# Altium PCB TIDA-010933-RevA.PcbDoc (part 3 of 9) (continued)
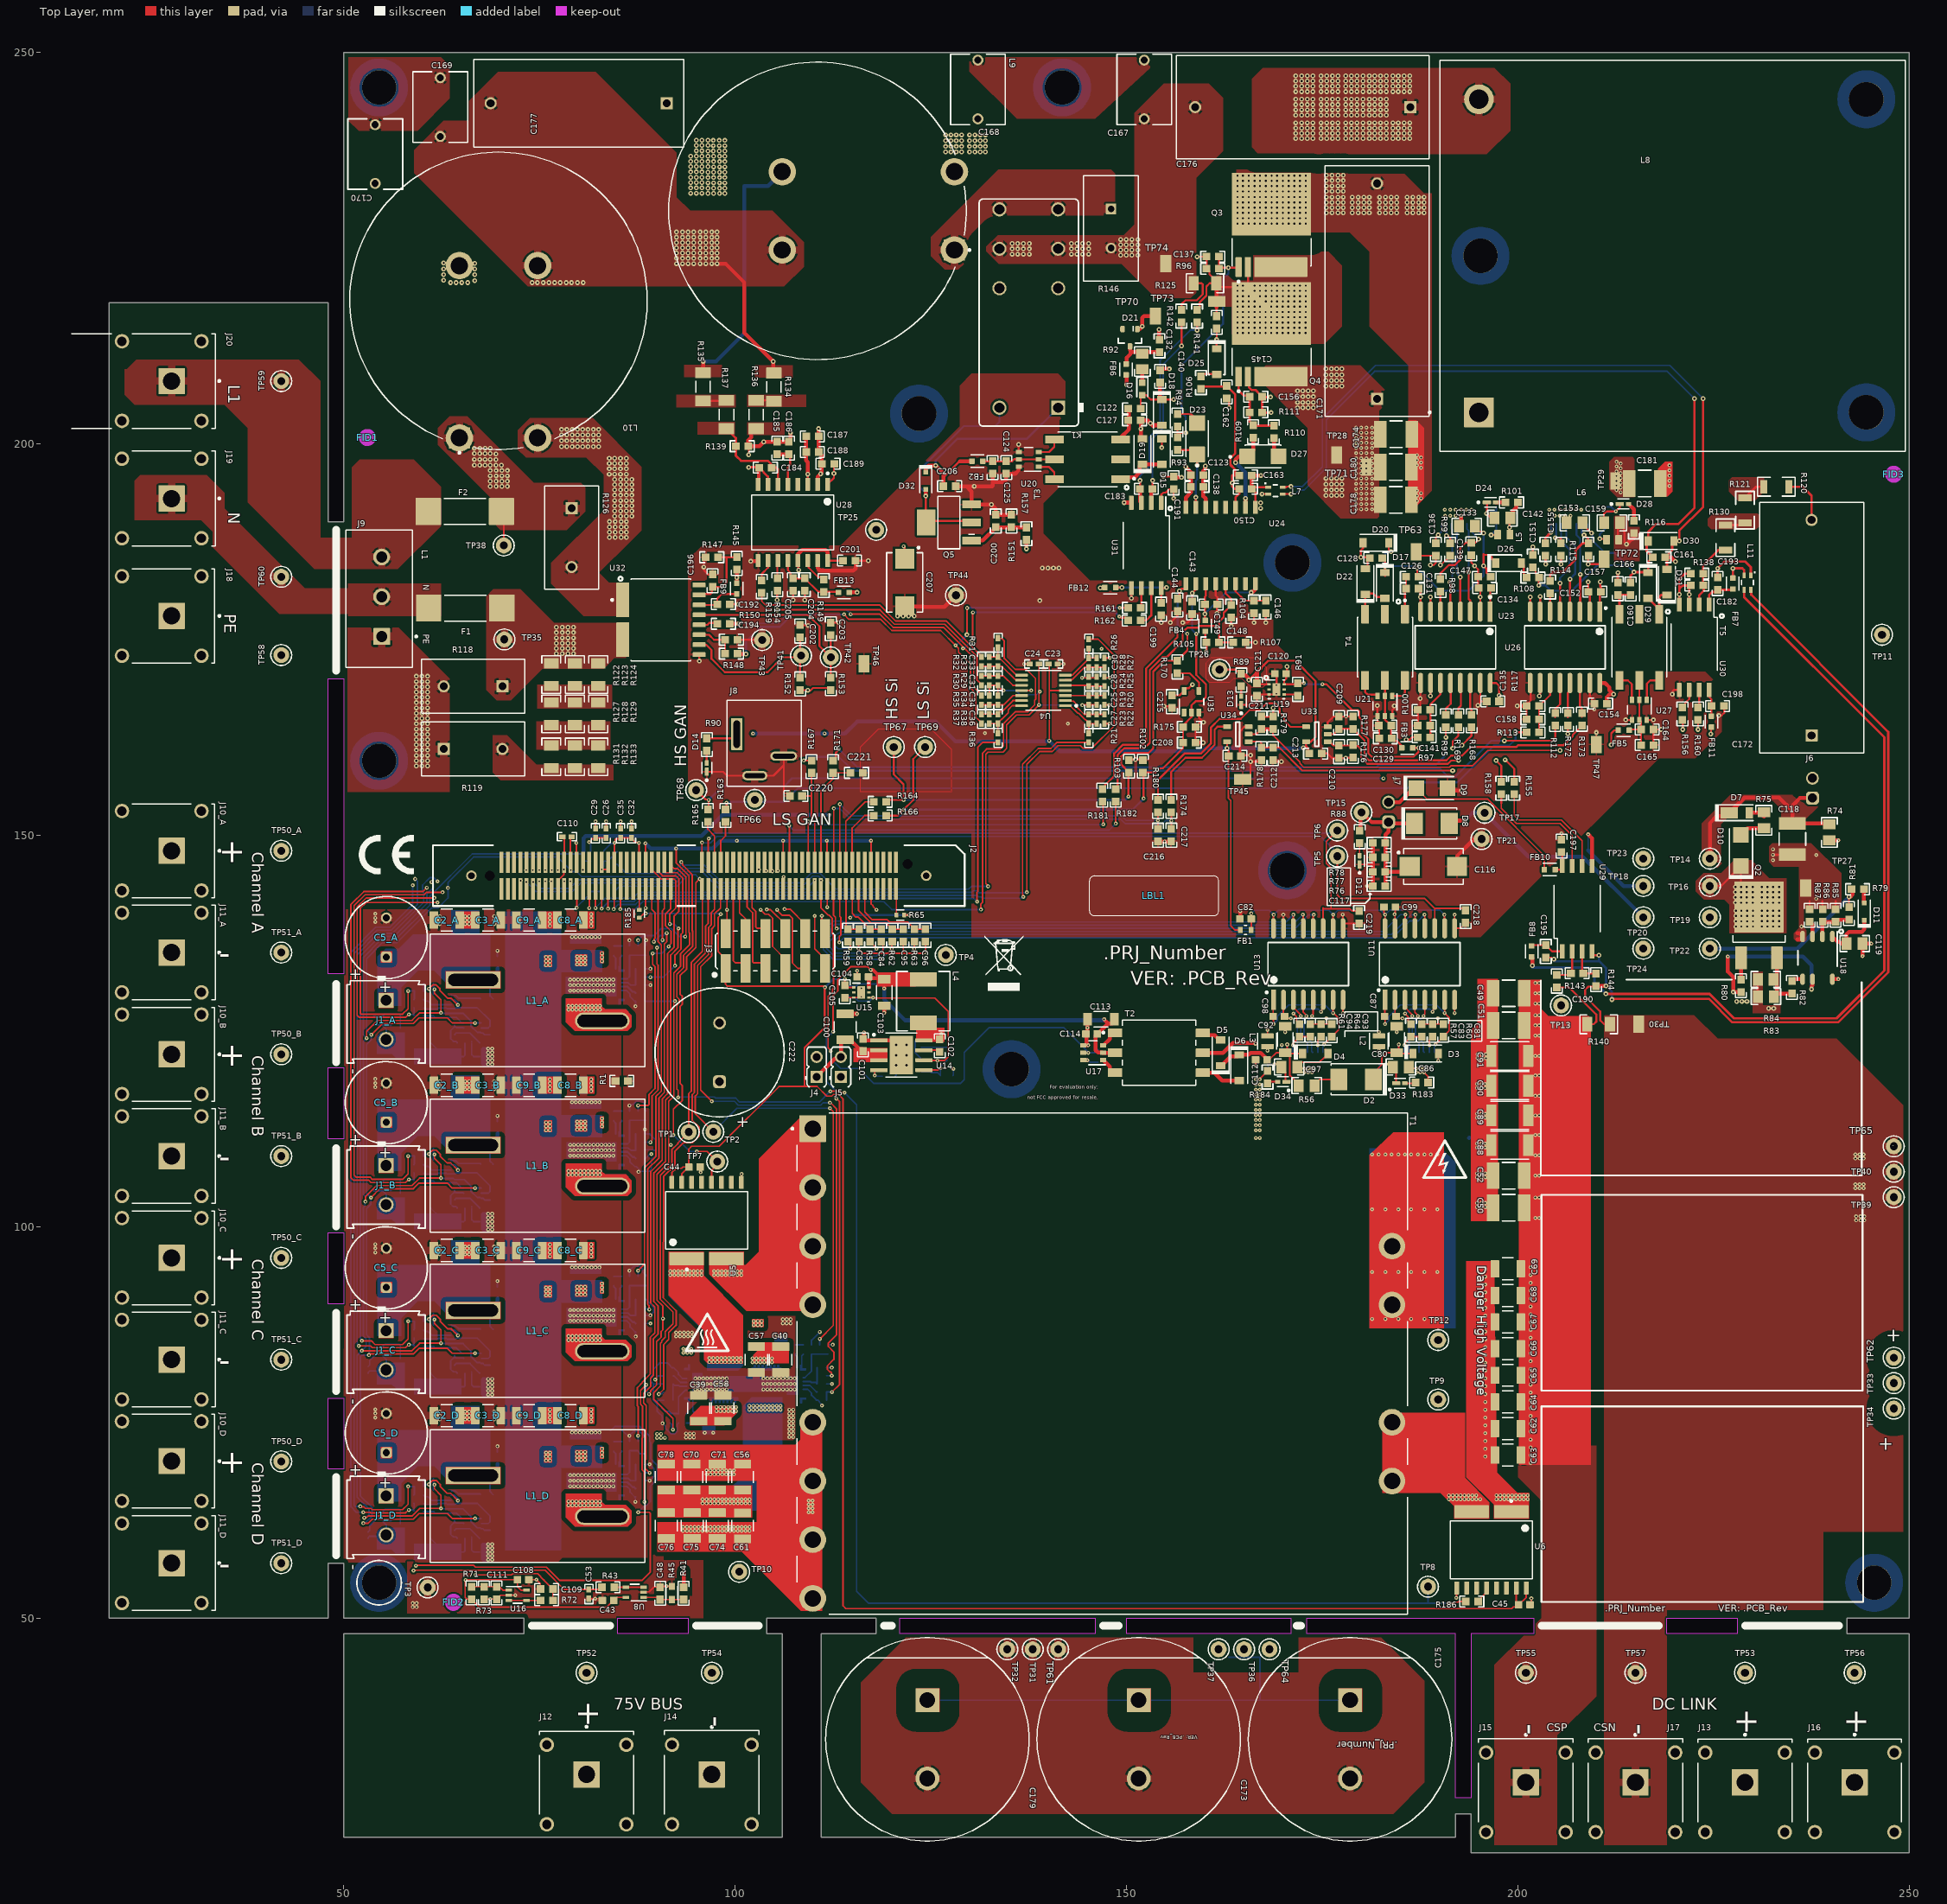
[diagram p0: Top Layer view]
## Part data (continued)
C173 C175 C179: library part CMP-0038374-1, "ALC80, Aluminum Electrolytic, 120 uF, 20%, 450 VDC, -40/+105°C", Leakage Current=162uA, Manufacturer=KEMET, Operating Temperature Range="-40°C to +105°C", Tolerance_%=20%, ValueDisplayed=120uF, AEC Qualified=No, Cap_F=120µF, ComponentLink1Description=Datasheet, ComponentLink1URL=https://content.kemet.com/datasheets/KEM_A4082_ALC80.pdf, datasheet=https://content.kemet.com/datasheets/KEM_A4082_ALC80.pdf, Datasheet Path=datasheets/Cap-ALC80A121BD450.pdf, Esr=1.075, helpURL=https://upverter.com/upn/revision/7d670a938a867c59/, IRMS_A=3.13A, Lead Free=Yes, Life=6000Hours, PackageReference=RADIAL, Part Number=ALC80A121BD450, PartNumber=ALC80A121BD450, RoHS=TRUE, SizeZ_mm=42mm, VDC_V=450V
C176: library part CMP-0037952-1, "2.2 µF Film Capacitor 310V Polypropylene (PP), Metallized Radial", Digikey Part Number=399-14811-ND, Manufacturer=KEMET, Mouser Part Number=80-F863FL225K310Z, Operating Temperature Range="-40°C to +110°C", Tolerance_%=10%, ValueDisplayed=2.2uF, Voltage Ac Rating X=310V, AEC Grade="Grade 2", AEC Qualified=Yes, Cap_F=2.2µF, ComponentLink1Description=Datasheet, ComponentLink1URL=https://content.kemet.com/datasheets/KEM_F3110_F863_X2_310.pdf, datasheet=https://content.kemet.com/datasheets/KEM_F3110_F863_X2_310.pdf, Datasheet Path=datasheets/Cap-F863FL225K310Z.pdf, Digikey Description="CAP FILM 2.2UF 10% 310VAC RADIAL", helpURL=https://upverter.com/upn/revision/6037da2ac259c91a/, Lead Free=Yes, PackageReference=RADIAL, Part Number=F863FL225K310Z, PartNumber=F863FL225K310Z, RoHS=TRUE, SizeZ_mm=25.1mm, Supplier 1=Digikey, Supplier 2=Mouser, Supplier Part Number 1=399-14811-ND, Supplier Part Number 2=80-F863FL225K310Z, VAC=310V, VAC_X=X2, VDC_V=630V
C177: library part CMP-0037951-1, "Cap Film 1uF 310VAC PP 10% (26.5 X 11 X 20mm) Dipped Radial 22.5mm 110°C Pizza Pack", Digikey Part Number=399-14809-ND, Manufacturer=KEMET, Mouser Part Number=80-F863DS105K310Z, Operating Temperature Range="-40°C to +110°C", Tolerance_%=10%, ValueDisplayed=1uF, Voltage Ac Rating X=310V, AEC Grade="Grade 1", AEC Qualified=Yes, Cap_F=1µF, ComponentLink1Description=Datasheet, ComponentLink1URL=https://content.kemet.com/datasheets/KEM_F3110_F863_X2_310.pdf, datasheet=https://content.kemet.com/datasheets/KEM_F3110_F863_X2_310.pdf, Datasheet Path=datasheets/Cap-F863DS105K310Z.pdf, Digikey Description="CAP FILM 1UF 10% 310VAC RADIAL", helpURL=https://upverter.com/upn/revision/10eff80190826337/, Lead Free=Yes, PackageReference=RADIAL, Part Number=F863DS105K310Z, PartNumber=F863DS105K310Z, RoHS=TRUE, SizeZ_mm=20.1mm, Supplier 1=Digikey, Supplier 2=Mouser, Supplier Part Number 1=399-14809-ND, Supplier Part Number 2=80-F863DS105K310Z, VAC=310V, VAC_X=X2, VDC_V=630V
C182 C184: library part CMP-0007238-4, "CAP, CERM, 1000 pF, 100 V, +/- 5%, C0G/NP0, 0603", Cap_Case=0603, Manufacturer=MuRata, Supplier Part Number 1=490-3281-1-ND, TempCo=C0G/NP0, Tolerance_%=5%, Value1=Unknown, Value2=100V, ValueDisplayed=1000pF, AEC Category=Q200, AEC Qualified=?, Cap_F=1nF, ComponentLink1Description="Datasheet link", ComponentLink1URL=http://search.murata.co.jp/Ceramy/PnsearchViewAction.do?HnOFG=ON&HnNFG=ON&SEL_CNT=50&sLang=en&sKey=GRM1885C2A102JA01D&x=9&y=9&search=startwith, CompType=Capacitor, LatestRevisionDate=2017-03-09, MountType=SMT, PackageReference=0603, PartNumber=GRM1885C2A102JA01D, Polarized=N, Published=2008-06-19, Publisher="Texas Instruments", RoHS=Y, SizeArea_mm2=1.28, SizeAreaWB_mm2=4.68, SizeX_mm=1.6, SizeY_mm=0.8, SizeZ_mm=1, Supplier 1=Digi-Key, Supplier 2=Mouser, Supplier Part Number 2=81-GRM1885C2A102JA01, TaMax_C=125°C, TaMin_C=-55°C, Technology=Ceramic, U/M=EA, VDC_V=100V
C183 C190: library part CMP-0007082-4, "CAP, CERM, 0.01 uF, 100 V, +/- 10%, X7R, AEC-Q200 Grade 1, 0603", Cap_Case=0603, Manufacturer=TDK, Supplier Part Number 1=445-5812-1-ND, TempCo=X7R, Tolerance_%=10%, Value1="0.235428 ohm", Value2=100V, ValueDisplayed=0.01uF, AEC Category=Q200, AEC Grade=1, AEC Qualified=Y, Cap_F=10nF, ComponentLink1Description="Datasheet link", ComponentLink1URL=https://product.tdk.com/en/search/capacitor/ceramic/mlcc/info?part_no=CGA3E2X7R2A103K080AA, CompType=Capacitor, ESR_ohm=2.35428d, IRMS_A=3.96995dA, LatestRevisionDate=2017-03-09, MountType=SMT, PackageReference=0603, PartNumber=CGA3E2X7R2A103K080AA, Polarized=N, Published=2008-06-19, Publisher="Texas Instruments", RoHS=Y, SizeArea_mm2=1.28, SizeAreaWB_mm2=4.68, SizeX_mm=1.6, SizeY_mm=0.8, SizeZ_mm=1, Supplier 1=Digi-Key, Supplier 2=Mouser, Supplier Part Number 2=810-CGA3E2X7R2A103K080AA, TaMax_C=125°C, TaMin_C=-55°C, Technology=Ceramic, U/M=EA, VDC_V=100V
C185 C188 C204: library part CMP-0006976-1, "CAP, CERM, 1000 pF, 50 V, +/- 10%, X7R, 0603", Cap_Case=0603, Manufacturer=Kemet, Supplier Part Number 1=399-5348-1-ND, TempCo=X7R, Tolerance_%=10%, Value1=Unknown, Value2=50V, ValueDisplayed=1000pF, AEC Category=Q200, AEC Qualified=?, Cap_F=1nF, ComponentLink1Description="Datasheet link", ComponentLink1URL=http://www.kemet.com/kemet/web/homepage/kechome.nsf/vapubfiles/F3102_Y5V.pdf/$file/F3102_Y5V.pdf, CompType=Capacitor, LatestRevisionDate=2017-03-09, MountType=SMT, PackageReference=0603, PartNumber=C0603X102K5RACTU, Polarized=N, Published=2008-06-19, Publisher="Texas Instruments", RoHS=Y, SizeArea_mm2=1.28, SizeAreaWB_mm2=4.68, SizeX_mm=1.6, SizeY_mm=0.8, SizeZ_mm=1, Supplier 1=Digi-Key, Supplier 2=Mouser, Supplier 3=Farnell, Supplier Part Number 2=80-C0603X102K5R, Supplier Part Number 3=1414025, TaMax_C=125°C, TaMin_C=-55°C, Technology=Ceramic, U/M=EA, VDC_V=50V
C189 C205: library part CMP-0007121-4, "CAP, CERM, 2.2 uF, 16 V, +/- 10%, X7R, 0603", Cap_Case=0603, Manufacturer="Taiyo Yuden", Supplier Part Number 1=EMK107BB7225KA-T-ND, TempCo=X7R, Tolerance_%=10%, Value1=Unknown, Value2=16V, ValueDisplayed=2.2uF, AEC Category=Q200, AEC Grade=N/A, AEC Qualified=N, Cap_F=2.2µF, ComponentLink1Description="Datasheet link", ComponentLink1URL=http://www.yuden.co.jp/productdata/catalog/en/mlcc_all_e.pdf, CompType=Capacitor, LatestRevisionDate=2017-03-09, MountType=SMT, PackageReference=0603, PartNumber=EMK107BB7225KA-T, Polarized=N, Published=2008-06-19, Publisher="Texas Instruments", RoHS=Y, SizeArea_mm2=1.28, SizeAreaWB_mm2=4.68, SizeX_mm=1.6, SizeY_mm=0.8, SizeZ_mm=1, Supplier 1=Digi-Key, Supplier 2=Newark, Supplier 3=Mouser, Supplier Part Number 2=68X1300, Supplier Part Number 3=963-EMK107BB7225KA-T, TaMax_C=125°C, TaMin_C=-55°C, Technology=Ceramic, U/M=EA, VDC_V=16V
C200: library part CMP-0006844-4, "CAP, CERM, 1000 pF, 50 V, +/- 5%, X7R, AEC-Q200 Grade 1, 0603", Cap_Case=0603, Manufacturer=Kemet, Supplier Part Number 1=399-12989-1-ND, TempCo=X7R, Tolerance_%=5%, Value1=Unknown, Value2=50V, ValueDisplayed=1000pF, AEC Category=Q200, AEC Grade=1, AEC Qualified=Y, Cap_F=1nF, ComponentLink1Description="Datasheet link", ComponentLink1URL=http://www.kemet.com/docfinder?Partnumber=C0603C102J5RACAUTO, CompType=Capacitor, LatestRevisionDate=2017-03-09, MountType=SMT, PackageReference=0603, PartNumber=C0603C102J5RACAUTO, Polarized=N, Published=2008-06-19, Publisher="Texas Instruments", RoHS=Y, SizeArea_mm2=1.28, SizeAreaWB_mm2=4.68, SizeX_mm=1.6, SizeY_mm=0.8, SizeZ_mm=1, Supplier 1=Digi-Key, Supplier 2=Newark, Supplier 3=Mouser, Supplier Part Number 3=80-C0603C102J5RAUTO, TaMax_C=125°C, TaMin_C=-55°C, Technology=Ceramic, U/M=EA, VDC_V=50V
C222: library part CMP-0116914-1, "WCAP-ATUL Aluminum Electrolytic Capacitor, Radial, THT, D16 x H25mm, 270µF, 100V", Capacitance Tolerance=20%, Manufacturer=Panasonic, Operating Temperature Max=105°C, Operating Temperature Min=-40°C, Rated Voltage (DC)=100V, Cap_F=270µF, Category="Aluminum Electrolytic Capacitors", Component Type=Standard, ComponentLink1Description="Website Link", ComponentLink1URL=https://www.we-online.com/redexpert/article/860040880007?ad, ComponentLink2Description="Datasheet Link", ComponentLink2URL=https://www.we-online.com/redexpert/spec/860040880007?ad, Diameter=16mm, Dissipation Factor=9%, Endurance=10000h, Height=25mm, Mount="Through Hole", Packaging="Ammo Pack", PartNumber=EEUFS2A391, Pin Count=2, Source="Aluminum Electrolytic Capacitors.SchLib", Technical Reference=ATDK250271M100DSPAEK000
D1_A D1_B D1_C D1_D: library part CMP-0005878-5, "Diode, Zener, 12 V, 200 mW, SOD-523", Manufacturer="Micro Commercial Components", Power_W=200mW, Value1=0.2W, AEC Category=Q101, AEC Qualified=?, ComponentLink1Description="Datasheet link", ComponentLink1URL=http://www.mccsemi.com/up_pdf/BZT52C2V4T~BZT52C39T(SOD-523).PDF, CompType=Zener, MountType=SMT, PackageReference=SOD-523, PartNumber=BZT52C12T-TP, RJA_CperW=625, RoHS=Y, SizeArea_mm2=1.53, SizeAreaWB_mm2=5.13, SizeX_mm=1.7, SizeY_mm=0.9, SizeZ_mm=0.65, Vz_V=12V
D2: library part CMP-0076998-2, "Diode, Schottky, 650 V, 1 A, SMB", Manufacturer="GeneSiC Semiconductor", Value1=1A, Value2=2V, AEC Category=Q101, AEC Qualified=?, ComponentLink1Description="Datasheet link", ComponentLink1URL=http://www.genesicsemi.com/images/products_sic/rectifiers/GB01SLT06-214.pdf, CompType=Diode, Io_A=1A, MountType=SMT, PackageReference=SMB, PartNumber=GB01SLT06-214, RJC_CperW=3.55, RoHS=Y, SizeArea_mm2=21.336, SizeAreaWB_mm2=44.156, SizeX_mm=5.6, SizeY_mm=3.81, SizeZ_mm=2.6, TJmax_C=175°C, Type=Schottky, Vf_V=2V, Vr_V=650V
D3 D4: library part CMP-0005769-4, "Diode, Zener, 16 V, 500 mW, AEC-Q101, SOD-123", Manufacturer="Diodes Inc.", Power_W=500mW, Value1=0.5W, AEC Category=Q101, AEC Qualified=Y, ComponentLink1Description="Datasheet link", ComponentLink1URL=http://www.diodes.com/_files/datasheets/ds18004.pdf, CompType=Zener, MountType=SMT, PackageReference=SOD-123, PartNumber=BZT52C16-7-F, RJA_CperW=338, RoHS=Y, SizeArea_mm2=6.545, SizeAreaWB_mm2=13.095, SizeX_mm=3.85, SizeY_mm=1.7, SizeZ_mm=1.35, Vz_V=16V
D5 D6: library part CMP-0028360-2, "Diode, Schottky, 40 V, 1 A, SOD-123", Manufacturer="Diodes Inc.", Value1=1A, Value2=0.45V, AEC Category=Q101, AEC Qualified=?, ComponentLink1Description="Datasheet link", ComponentLink1URL=http://www.diodes.com/datasheets/ds30217.pdf, CompType=Diode, Green_EU RoHS=Passed, Green_EU RoHS-2=Passed, Green_Lifecycle=Active, Green_REACh=Passed, Io_A=1A, MountType=SMT, PackageReference=SOD-123, PartNumber=1N5819HW-7-F, RoHS=Y, SizeArea_mm2=6.545, SizeAreaWB_mm2=13.095, SizeX_mm=3.85, SizeY_mm=1.7, SizeZ_mm=1.35, TJmax_C=125°C, Type=Schottky, Vf_V=450mV, Vr_V=40V
D7: library part CMP-0076896-2, "Diode, Superfast Rectifier, 400 V, 1 A, PowerDI123", Manufacturer="Diodes Inc.", Value1=1A, Value2=1.25V, AEC Category=Q101, AEC Qualified=?, ComponentLink1Description="Datasheet link", ComponentLink1URL=http://www.diodes.com/datasheets/ds30784.pdf, CompType=Diode, Green_EU RoHS=Incomplete, Green_EU RoHS-2=Incomplete, Green_Lifecycle="Not Set", Green_REACh=Incomplete, Io_A=1A, MountType=SMT, PackageReference=PowerDI123, PartNumber=DFLU1400-7, RJC_CperW=117.0, RoHS=Y, SizeArea_mm2=6.586, SizeAreaWB_mm2=13.066, SizeX_mm=3.7, SizeY_mm=1.78, SizeZ_mm=0.98, TJmax_C=150°C, Type="Superfast Rectifier", Vf_V=1.25V, Vr_V=400V
D8: library part CMP-0028414-2, "Diode, Schottky, 40 V, 3 A, SMB", Manufacturer="Diodes Inc.", Value1=3A, Value2=0.45V, AEC Category=Q101, AEC Qualified=?, ComponentLink1Description="Datasheet link", ComponentLink1URL=http://www.diodes.com/datasheets/ds30240.pdf, CompType=Diode, Green_EU RoHS=Incomplete, Green_EU RoHS-2=Incomplete, Green_Lifecycle="Not Set", Green_REACh=Incomplete, Io_A=3A, MountType=SMT, PackageReference=SMB, PartNumber=B340LB-13-F, RJC_CperW=25, RoHS=Y, SizeArea_mm2=21.336, SizeAreaWB_mm2=44.156, SizeX_mm=5.6, SizeY_mm=3.81, SizeZ_mm=2.6, TJmax_C=125°C, Type=Schottky, Vf_V=450mV, Vr_V=40V
D9: library part CMP-0005533-3, "Diode, Zener, 5.6 V, 1 W, SMA", Manufacturer="Diodes Inc.", Power_W=1W, AEC Category=Q101, AEC Qualified=N, ComponentLink1Description="Datasheet link", ComponentLink1URL=http://www.diodes.com/datasheets/ds18015.pdf, CompType=Zener, MountType=SMT, PackageReference=SMA, PartNumber=SMAZ5V6-13-F, RJA_CperW=125, RoHS=Y, SizeArea_mm2=16.3228, SizeAreaWB_mm2=37.3428, SizeX_mm=5.59, SizeY_mm=2.92, SizeZ_mm=2.87, Value1=1W, Vz_V=5.6V
D10: library part CMP-0084980-1, "Diode, TVS, Uni, 120 V, 193 Vc, 400 W, 2.1 A, SMA", Manufacturer=Littelfuse, Value1=193V, AEC Category=Q101, AEC Qualified=N, ComponentLink1Description="Datasheet link", ComponentLink1URL=https://www.littelfuse.com/~/media/electronics/datasheets/tvs_diodes/littelfuse_tvs_diode_smaj_datasheet.pdf.pdf, CompType=TVS, Ipp=2.1A, MountType=SMT, PackageReference=SMA, PartNumber=SMAJ120A, Ppk=400W, RJA_CperW=120, RoHS=Y, SizeArea_mm2=16.3228, SizeAreaWB_mm2=37.3428, SizeX_mm=5.59, SizeY_mm=2.92, SizeZ_mm=2.87, Vbr_Max=147V, Vbr_Min=133V, Vc=193V, VRWM=120V
D11: library part CMP-0029150-2, "Diode, Switching, 200 V, 0.2 A, AEC-Q101, SOD-323", Manufacturer="ON Semiconductor", Value1=0.2A, Value2=1.25V, AEC Category=Q101, AEC Qualified=Y, ComponentLink1Description="Datasheet link", ComponentLink1URL=http://www.onsemi.com/pub_link/Collateral/BAS20HT1-D.PDF, CompType=Diode, Green_EU RoHS=Incomplete, Green_EU RoHS-2=Incomplete, Green_Lifecycle="Not Set", Green_REACh=Incomplete, Io_A=200mA, MountType=SMT, PackageReference=SOD-323, PartNumber=BAS20HT1G, RoHS=Y, SizeArea_mm2=3.645, SizeAreaWB_mm2=8.695, SizeX_mm=2.7, SizeY_mm=1.35, SizeZ_mm=1, TJmax_C=150°C, Type=Switching, Vf_V=1.25V, Vr_V=200V
D12 D13 D14 D24 D28 D33 D34: library part CMP-0093310-1, "Standard LEDs - SMD Green TOPLED E 1608", Color=Green, Forward Current=2mA, Manufacturer="Osram Opto", Mouser Part Number=720-KGDELLS122A4849, Operating Temperature Range="-40°C to +110°C", AEC Grade="Grade 2", AEC Qualified=Yes, Angle=120°, ComponentLink1Description=Datasheet, ComponentLink1URL=https://dammedia.osram.info/media/resource/hires/osram-dam-5423212/KG%20DELLS1.22_EN.pdf, datasheet=https://dammedia.osram.info/media/resource/hires/osram-dam-5423212/KG%20DELLS1.22_EN.pdf, Datasheet Path="datasheets/Diode-KG DELLS1.22-JGKH-24.pdf", helpURL=https://upverter.com/upn/revision/bca93164397fc6ea/, LambdaD=570nm, LambdaP=572nm, Lead Free=Yes, Led Orientation="Top View", Luminous Intensity=4.5-9.7mcd, LuminousFlux_PhiV=0.016-0.0295lm, Mouser Description="Topled E1608 Grn SMT", PackageReference=0603, Part Number="KG DELLS1.22-JGKH-24", PartNumber="KG DELLS1.22-JGKH-24", RoHS=TRUE, SizeZ_mm=0.7mm, TJmax_C=125°C, Vf_V=1.8V, Vr_V=12V
D15 D17 D19 D22 D29 D31: library part CMP-0028524-2, "Diode, Schottky, 20 V, 0.5 A, SOD-123", Manufacturer="ON Semiconductor", Value1=0.5A, Value2=0.385V, AEC Category=Q101, AEC Qualified=?, ComponentLink1Description="Datasheet link", ComponentLink1URL=http://www.onsemi.com/pub_link/Collateral/MBR0520LT1-D.PDF, CompType=Diode, Green_EU RoHS=Passed, Green_EU RoHS-2=Passed, Green_Lifecycle=Active, Green_REACh=Passed, Io_A=500mA, MountType=SMT, PackageReference=SOD-123, PartNumber=MBR0520LT1G, RJC_CperW=150, RoHS=Y, SizeArea_mm2=6.545, SizeAreaWB_mm2=13.095, SizeX_mm=3.85, SizeY_mm=1.7, SizeZ_mm=1.35, TJmax_C=125°C, Type=Schottky, Vf_V=385mV, Vr_V=20V
D16: library part CMP-0002972-3, "LED, Red, SMD", Color=Red, Manufacturer="Stanley Electric Co., LTD", Power_TotalModule=57.5mW, Value1=0.0575W, Value2=1.7V, ComponentLink1Description="Datasheet link", ComponentLink1URL=https://sps06.itg.ti.com/sites/KMS/crossdivteams/altium/docs/ComponentDatasheets/BR1111C-TR.pdf, CompType=LED, Io_A=20mA, Ir_A=100µA, MountType=SMT, PackageReference=1.6x0.8mm, PartNumber=BR1111C-TR, RoHS=Y, TJmax_C=85°C, Type=?, Vf_V=1.7V, Vr_V=4V
D18 D20 D30: library part CMP-0005746-4, "Diode, Zener, 16 V, 500 mW, SOD-123", Manufacturer="ON Semiconductor", Power_W=500mW, Value1=0.5W, AEC Category=Q101, AEC Qualified=?, ComponentLink1Description="Datasheet link", ComponentLink1URL=http://www.onsemi.com/pub_link/Collateral/MMSZ4678T1-D.PDF, CompType=Zener, MountType=SMT, PackageReference=SOD-123, PartNumber=MMSZ4703T1G, RJA_CperW=340, RoHS=Y, SizeArea_mm2=6.545, SizeAreaWB_mm2=13.095, SizeX_mm=3.85, SizeY_mm=1.7, SizeZ_mm=1.35, Vz_V=16V
D21: library part CMP-0065109-3, "Diode, Zener, 5 V, 250 mW, SOT-23", Manufacturer=Nexperia, Power_W=250mW, Value1=0.25W, AEC Category=Q101, AEC Qualified=N, ComponentLink1Description="Datasheet link", ComponentLink1URL=http://assets.nexperia.com/documents/data-sheet/PLVA6XXA_SERIES.pdf, CompType=Zener, MountType=SMT, PackageReference=SOT-23, PartNumber=PLVA650A,215, RJA_CperW=500, RoHS=Y, SizeArea_mm2=7.5, SizeAreaWB_mm2=14.0, SizeX_mm=2.5, SizeY_mm=3.0, SizeZ_mm=1.1, Vz_V=5V
D23 D27: library part CMP-0090591-1, "Diode Schottky 40V 3A Surface Mount SMA", Digikey Part Number=NRVBA340T3GOSCT-ND, Forward Current=3A, Manufacturer="ON Semiconductor", Max Surge Forward Current=100A, Mouser Part Number=863-NRVBA340T3G, Operating Temperature Range="-55°C to +150°C", Peak Reverse Current=0.3mA, AEC Grade="Grade 0", AEC Qualified=Yes, Ciiva Ids=822566, ComponentLink1Description=Datasheet, ComponentLink1URL=https://www.onsemi.com/pub/Collateral/MBRA340T3-D.PDF, datasheet=https://www.onsemi.com/pub/Collateral/MBRA340T3-D.PDF, Datasheet Path=datasheets/Diode-NRVBA340T3G.pdf, Digikey Description="DIODE SCHOTTKY 40V 3A SMA", helpURL=https://upverter.com/upn/revision/a5a21e24fb3c0a8a/, Import Ts=1521842727, Lead Free=Yes, Mouser Description="ON Semi NRVBA340T3G; SMT Schottky Diode; 40V 3A; 2-Pin DO-214AC", PackageReference=SMA, Part Number=NRVBA340T3G, PartNumber=NRVBA340T3G, Release Date=1407122961, RoHS=TRUE, SizeZ_mm=2.2mm, Standoff Height=0.05mm, TJmax_C=150°C, Vault Guid=85F22403-B115-4139-8CC6-3EA1D67971E9, Vf_V=40V, Vr_V=40V
D25 D26: library part CMP-0029148-2, "Diode, Ultrafast, 600 V, 1 A, SOD-123FL", Manufacturer="Micro Commercial Components", Value1=1A, Value2=1.7V, AEC Category=Q101, AEC Qualified=N, ComponentLink1Description="Datasheet link", ComponentLink1URL=http://www.mccsemi.com/up_pdf/UFM11PL~UFM17PL(SOD-123FL).pdf, CompType=Diode, Green_EU RoHS=Incomplete, Green_EU RoHS-2=Incomplete, Green_Lifecycle="Not Set", Green_REACh=Incomplete, Io_A=1A, MountType=SMT, PackageReference=SOD-123FL, PartNumber=UFM15PL-TP, RoHS=Y, SizeArea_mm2=5.94, SizeAreaWB_mm2=12.19, SizeX_mm=3.6, SizeY_mm=1.65, SizeZ_mm=0.98, TJmax_C=150°C, Type=Ultrafast, Vf_V=1.7V, Vr_V=600V
D32: library part CMP-0028882-2, "Diode, Schottky, 40 V, 0.75 A, AEC-Q101, SOD-323", Manufacturer="Infineon Technologies", Value1=0.75A, Value2=0.74V, AEC Category=Q101, AEC Qualified=Y, ComponentLink1Description="Datasheet link", ComponentLink1URL=http://www.infineon.com/dgdl/bat165series.pdf?folderId=db3a304313d846880113def5812204a1&fileId=db3a304313d846880113df01f69804d6, CompType=Diode, Green_EU RoHS=Incomplete, Green_EU RoHS-2=Incomplete, Green_Lifecycle="Not Set", Green_REACh=Incomplete, Io_A=750mA, MountType=SMT, PackageReference=SOD-323, PartNumber=BAT165E6327HTSA1, RoHS=Y, SizeArea_mm2=3.645, SizeAreaWB_mm2=8.695, SizeX_mm=2.7, SizeY_mm=1.35, SizeZ_mm=1, TJmax_C=150°C, Type=Schottky, Vf_V=740mV, Vr_V=40V
F1 F2: library part CMP-0037653-1, "15 A 250 V AC 80 V DC Fuse Board Mount (Cartridge Style Excluded) Surface Mount 2-SMD, Square End Block", Digikey Part Number=SF-3812F1500T-2CT-ND, Fuse Current=15A, Fuse Interrupt Dc Current=300A, Manufacturer=Bourns, Mouser Part Number=652-SF-3812F1500T-2, Operating Temperature Range="-55°C to +125°C", AEC Qualified=No, ComponentLink1Description=Datasheet, ComponentLink1URL=https://www.bourns.com/docs/Product-Datasheets/SF-3812F-T.pdf, datasheet=https://www.bourns.com/docs/Product-Datasheets/SF-3812F-T.pdf, Datasheet Path=datasheets/Fuse-SF-3812F1500T-2.pdf, Digikey Description="FUSE BRD MT 15A 250VAC/80DC 2SMD", Fuse I2T=141.75A2Sec, Fuse Speed=Fast, helpURL=https://upverter.com/upn/revision/1547e1d885071418/, Interrupt_AC=150A, Interrupt_DC=300A, Lead Free=Yes, MeltingTyp=141.75A2Sec, Mouser Description="Fuse Chip Fast Acting 15A 250V SMD Solder Pad 3812 10.1 X 3.1mm Ceramic T/R", PackageReference=3812, Part Number=SF-3812F1500T-2, PartNumber=SF-3812F1500T-2, Res_ohm=0.005Ω, RoHS=TRUE, SizeZ_mm=3.3mm, Supplier 1=Digikey, Supplier 2=Mouser, Supplier Part Number 1=SF-3812F1500T-2CT-ND, Supplier Part Number 2=652-SF-3812F1500T-2, VAC_V=250V
FB1: library part CMP-0003416-1, "Ferrite Bead, 1000 ohm @ 100 MHz, 0.3 A, 0603", Manufacturer=TDK, Supplier Part Number 1=445-8672-1-ND, Value1="0.6 ohm", Value2=0.3A, ValueDisplayed="1000 ohm", ComponentLink1Description="Datasheet link", ComponentLink1URL=http://product.tdk.com/emc/beads/en/documents/beads_commercial_signal_mmz_en.pdf, CompType="Ferrite Bead", DCR_ohm=0.6, Imax_A=300mA, LatestRevisionDate=2017-03-09, MountType=SMT, PackageReference=0603, PartNumber=MMZ1608B102CTA00, Published=2014-04-30, Publisher="Texas Instruments", RoHS=Y, Supplier 1=Digi-Key, Supplier 2=Newark, Supplier Part Number 2=88T9800, ZTyp@100MHz_Ohm=1k
FB2 FB3 FB4 FB5 FB6 FB7 FB8 FB9 FB10 FB11 FB12 FB13: library part CMP-0037505-1, "600 Ohms @ 100 MHz 1 Power, Signal Line Ferrite Bead 0603 (1608 Metric) 1A 200mOhm", Digikey Part Number=MH1608-601YCT-ND, Impedance At Frequency="600Ω @ 100MHz", Manufacturer=Bourns, Mouser Part Number=652-MH1608-601Y, Operating Temperature Range="-55°C to +125°C", Test Frequency=100MHz, Tolerance_%=25%, AEC Qualified=No, ComponentLink1Description=Datasheet, ComponentLink1URL=https://www.bourns.com/docs/Product-Datasheets/mh.pdf, datasheet=https://www.bourns.com/docs/Product-Datasheets/mh.pdf, Datasheet Path=datasheets/FBead-MH1608-601Y.pdf, DCR_ohm=0.2, Digikey Description="FERRITE BEAD 600 OHM 0603 1LN", helpURL=https://upverter.com/upn/revision/07c7dad827ccdff3/, Imax_A=1A, Lead Free=Yes, Material=Ferrite, Mouser Description="Ferrite Beads 600 ohms 25% HIGH CURRENT", PackageReference=0603, Part Number=MH1608-601Y, PartNumber=MH1608-601Y, RoHS=TRUE, SizeZ_mm=1mm, Supplier 1=Digikey, Supplier 2=Mouser, Supplier Part Number 1=MH1608-601YCT-ND, Supplier Part Number 2=652-MH1608-601Y, Technology=Chip
FID1 FID2 FID3 FID4 FID5 FID6: library part CMP-0077181-1, "Fiducial mark.  There is nothing to buy or mount.", Manufacturer=N/A, ClassName=FiducialMark, CompType=Fiducial, MountType=N/A, PackageReference=N/A, PartNumber=N/A
J1_A J1_B J1_C J1_D: library part CMP-0054978-1, "Therminal Block, 5 mm, 2-pole, Tin, TH", Manufacturer="TE Connectivity", Supplier Part Number 1=A98355-ND, CNHeader=FALSE, ComponentLink1Description="Datasheet URL", ComponentLink1URL=http://www.te.com/commerce/DocumentDelivery/DDEController?Action=showdoc&DocId=Customer+Drawing%7F282856%7FD5%7Fpdf%7FEnglish%7FENG_CD_282856_D5.pdf%7F282856-2, CompType="Terminal Block", CT=TRUE, LatestRevisionDate=26/05/2017, MountType=TH, PackageReference="TH, 2-Leads, Body 10x10mm, Pitch 5mm", PartNumber=282856-2, Publisher="Texas Instruments", RoHS=Y, Supplier 1=Digi-Key, Supplier 2=Newark, Supplier 3=Mouser, Supplier Part Number 2=12H8485, Supplier Part Number 3=571-282856-2
J2: library part CMP-0003814-2, "C2000 controlCARD-120HSEC connector, SMT", Manufacturer=Samtec, ComponentLink1Description="Datasheet Link", ComponentLink1URL=http://www.samtec.com/ftppub/pdf/hsec8_dv.pdf, CompType=Connector, MountType=SMT, Note="The pin numbering does not match Samtec datasheet", PackageReference="C2000 pin numbering", PartNumber=HSEC8-160-01-L-DV-A-BL, RoHS=Y
J3: library part CMP-0055315-2, "Header, 100mil, 6x2, SMT", Manufacturer=Molex, Supplier Part Number 1=WM17452-ND, ClassName=Header, ComponentLink1Description="Datasheet URL", ComponentLink1URL=http://www.molex.com/pdm_docs/sd/015912120_sd.pdf, CompType=Header, Green_EU RoHS=Passed, Green_EU RoHS-2=Passed, Green_Lifecycle=Active, Green_REACh=Passed, MountType=SMT, PackageReference="Header, 6x2, SMT", PartNumber=15912120, RoHS=Y, Supplier 1=Digi-Key
J4 J5: library part CMP-0055333-1, "Header, 2.54mm, 2x1, Tin, TH", Color=Black, Current_A=4A, Manufacturer=Molex, Supplier Part Number 1=WM50016-02-ND, Voltage_V=250V, Cert_UL=Y, ClassName=Header, CNHeader=TRUE, ComponentLink1Description="Datasheet URL", ComponentLink1URL=http://www.molex.com/pdm_docs/sd/022284023_sd.pdf, CompType=Header, ContactFinish=Tin, CT=FALSE, Gender=Male, LatestRevisionDate=26/05/2017, MountType=TH, Orientation=Vertical, PackageReference="Header, 2.54mm, 2x1, TH", PartNumber=22284023, PinCount=2, Pitch_mm=2.54, Publisher="Texas Instruments", RoHS=Y, Row_Count=1, Shrouded=N, Supplier 1=Digi-Key
J6 J7: library part CMP-0054794-2, "Header, 2.54 mm, 2x1, Gold, TH", Color=Black, Manufacturer="Wurth Elektronik", Supplier Part Number 1=732-5315-ND, Cert_UL=Y, ClassName=Header, ComponentLink1Description="Datasheet URL", ComponentLink1URL=http://katalog.we-online.de/em/datasheet/6130xx11121.pdf, CompType=Header, ContactFinish=Gold, Gender=Male, Green_EU RoHS=Passed, Green_EU RoHS-2=Incomplete, Green_Lifecycle=Active, Green_REACh=Passed, MountType=TH, Orientation=Vertical, PackageReference="Header, 2.54mm, 2x1, TH", PartNumber=61300211121, PinCount=2, Pitch_mm=2.54, RoHS=Y, Row_Count=1, Shrouded=N, Supplier 1=Digi-Key, Supplier 2=Newark, Supplier 3=Mouser, Supplier Part Number 2=20X0948, Supplier Part Number 3=710-61300211121
J8: library part CMP-0040211-1, "Power Barrel Connector Jack 2.10mm ID (0.083\"), 5.50mm OD (0.217\") Through Hole", Current_A=3A, Digikey Part Number=732-5931-ND, Manufacturer="Wurth Electronics", Mouser Part Number=710-694106402002, Operating Temperature Range="-40°C to +85°C", Voltage_V=30V, AEC Qualified=No, ComponentLink1Description=Datasheet, ComponentLink1URL=https://www.we-online.com/components/products/datasheet/694106402002.pdf, Conn Gender=Female, Conn Orientation=Vertical, ContactFinish=Gold, datasheet=https://www.we-online.com/components/products/datasheet/694106402002.pdf, Datasheet Path=datasheets/Conn-694106402002.pdf, Digikey Description="CONN PWR JACK 2.1X5.5MM SOLDER", helpURL=https://upverter.com/upn/revision/1809d497b2602ff5/, Lead Free=Yes, Mouser Description="DC Power Jack Connector WR-DC, Male, Vertical, THT, 3 A, 20 V", PackageReference=CONN_PWR_10MM7_9MM0, Part Number=694106402002, PartNumber=694106402002, PinCount=1, RoHS=TRUE, SizeZ_mm=14.3mm, Supplier 1=Digikey, Supplier 2=Mouser, Supplier Part Number 1=732-5931-ND, Supplier Part Number 2=710-694106402002
J9: library part CMP-0094328-1, "3 Position Terminal Block Header, Male Pins, Shrouded (4 Side) 0.200\" (5.08mm) Vertical - Through Hole", Current_A=15A, Digikey Part Number=A98423-ND, Manufacturer="TE Connectivity", Mouser Part Number=571-796636-3, Operating Temperature Range="-40°C to +105°C", Voltage_V=300V, AEC Qualified=No, ComponentLink1Description=Datasheet, ComponentLink1URL=https://www.te.com/commerce/DocumentDelivery/DDEController?Action=showdoc&DocId=Customer+Drawing%7F796636%7FC6%7Fpdf%7FEnglish%7FENG_CD_796636_C6.pdf%7F796636-3, Conn Gender=Male, Conn Orientation=Vertical, ContactFinish=Tin, datasheet=https://www.te.com/commerce/DocumentDelivery/DDEController?Action=showdoc&DocId=Customer+Drawing%7F796636%7FC6%7Fpdf%7FEnglish%7FENG_CD_796636_C6.pdf%7F796636-3, Datasheet Path=datasheets/Conn-796636-3.pdf, Digikey Description="TERM BLOCK HDR 3POS VERT 5.08MM", DUT-Pitch_mm=5.08mm, helpURL=https://upverter.com/upn/revision/c1a9aec1f58481f7/, Lead Free=Yes, Max Wire Gauge=12, Min Wire Gauge=30, Mouser Description="Buchanan, Terminal Block Connector, PCB, Header, Single Row, 3 Position, 5.08 mm, Green", PackageReference=HDR3, Part Number=796636-3, PartNumber=796636-3, PinCount=3, RoHS=TRUE, Row_Count=1, SizeZ_mm=12.25mm, Supplier 1=Digikey, Supplier 2=Mouser, Supplier Part Number 1=A98423-ND, Supplier Part Number 2=571-796636-3
J10_A J10_B J10_C J10_D J12 J13 J16: library part CMP-0032022-2, "Banana Jack Connector Standard Banana Solder Red", Current_A=24A, Digikey Part Number=4654-FCR7350R-ND, Manufacturer="CLIFF Electronic Components", Operating Temperature Range="-40°C to +80°C", Voltage_V=1kV, AEC Qualified=No, ComponentLink1Description=Datasheet, ComponentLink1URL=https://www.farnell.com/datasheets/3216443.pdf, Conn Orientation=Horizontal, ContactFinish=Gold, datasheet=https://www.farnell.com/datasheets/3216443.pdf, Datasheet Path=datasheets/Conn-FCR7350R.pdf, Digikey Description="4MM PANEL SKT S16N-PC RED", helpURL=https://upverter.com/upn/revision/ed2a00f5535e7036/, Is Female=yes, Lead Free=Yes, PackageReference=CONN_BANANA_JACK, Part Number=FCR7350R, PartNumber=FCR7350R, PinCount=1, RoHS=TRUE, SizeZ_mm=12.5mm, Standoff Height=0.7mm, Supplier 1=Digikey, Supplier Part Number 1=4654-FCR7350R-ND
J11_A J11_B J11_C J11_D J14 J15 J17 J19: library part CMP-0032021-2, "Banana Jack Connector Standard Banana Solder Black", Current_A=24A, Digikey Part Number=4654-FCR7350B-ND, Manufacturer="CLIFF Electronic Components", Operating Temperature Range="-40°C to +80°C", Voltage_V=1kV, AEC Qualified=No, ComponentLink1Description=Datasheet, ComponentLink1URL=https://www.cliffuk.co.uk/products/testleads/sockets/fcr7350.pdf, Conn Orientation=Horizontal, ContactFinish=Gold, datasheet=https://www.cliffuk.co.uk/products/testleads/sockets/fcr7350.pdf, Datasheet Path=datasheets/Conn-FCR7350B.pdf, Digikey Description="4MM PANEL SKT S16N-PC BLACK", helpURL=https://upverter.com/upn/revision/598fb79d4513ed1f/, Is Female=yes, Lead Free=Yes, PackageReference=CONN_BANANA_JACK, Part Number=FCR7350B, PartNumber=FCR7350B, PinCount=1, RoHS=TRUE, SizeZ_mm=12.5mm, Standoff Height=0.7mm, Supplier 1=Digikey, Supplier Part Number 1=4654-FCR7350B-ND
J18: library part CMP-0032023-2, "Banana Jack Connector Standard Banana Solder Yellow", Current_A=24A, Digikey Part Number=4654-FCR7350Y-ND, Manufacturer="CLIFF Electronic Components", Operating Temperature Range="-40°C to +80°C", Voltage_V=1kV, AEC Qualified=No, ComponentLink1Description=Datasheet, ComponentLink1URL=https://www.farnell.com/datasheets/3216443.pdf, Conn Orientation=Horizontal, ContactFinish=Gold, datasheet=https://www.farnell.com/datasheets/3216443.pdf, Datasheet Path=datasheets/Conn-FCR7350Y.pdf, Digikey Description="4MM PANEL SKT S16N-PC YELLOW", helpURL=https://upverter.com/upn/revision/477f41296692cbd3/, Is Female=yes, Lead Free=Yes, PackageReference=CONN_BANANA_JACK, Part Number=FCR7350Y, PartNumber=FCR7350Y, PinCount=1, RoHS=TRUE, SizeZ_mm=12.5mm, Standoff Height=0.7mm, Supplier 1=Digikey, Supplier Part Number 1=4654-FCR7350Y-ND
J20: library part CMP-0098295-2, "Banana Test Connector, 4mm, Socket, PCB Mount, 24 A, 1 kV, Gold Plated Contacts, Blue", Current_A=24A, Manufacturer="CLIFF Electronic Components", Operating Temperature Range="-40°C to +80°C", Voltage_V=1kV, AEC Qualified=No, ComponentLink1Description=Datasheet, ComponentLink1URL=https://www.cliffuk.co.uk/products/testleads/sockets/fcr7350.pdf, Conn Orientation="Right Angle", ContactFinish=Gold, datasheet=https://www.cliffuk.co.uk/products/testleads/sockets/fcr7350.pdf, Datasheet Path=datasheets/Conn-FCR7350L.pdf, helpURL=https://upverter.com/upn/revision/8f9f2a5472dd5be9/, Lead Free=Yes, PackageReference=CONN_BANANA_JACK, Part Number=FCR7350L, PartNumber=FCR7350L, PinCount=1, RoHS=TRUE, SizeZ_mm=11.6mm, Standoff Height=0.7mm
K1: library part CMP-0002638-2, "Relay, SPDT (1 Form C), 16 A, 5 V, TH", Coil Current_A=80.6mA, Coil Power_W=403mW, Coil Resistance_ohm=62, Coil Voltage_VDC=5V, Contact Rating_A=16A, Manufacturer="TE Connectivity", Supplier Part Number 1=PB291-ND, Turn Off Voltage (Min)_VDC=5dV, Turn On Voltage (Max)_VDC=3.5V, Coil Type="Non Latching", ComponentLink1Description="Datasheet URL", ComponentLink1URL=http://www.te.com/commerce/DocumentDelivery/DDEController?Action=srchrtrv&DocNm=RT1pb&DocType=DS&DocLang=English, Contact Form="SPDT (1 Form C)", MountType=TH, PackageReference="29 x 12.7 mm", PartNumber=RTD14005F, RoHS=Y, SizeArea_mm2=368.3, SizeAreaWB_mm2=455.7, SizeX_mm=12.7, SizeY_mm=29, SizeZ_mm=15.7, Supplier 1=Digi-Key, Supplier 2=Newark, Supplier 3=Mouser, Supplier Part Number 2=36K7603, Supplier Part Number 3=655-RTD14005F, Time Operate (s)=8ms, Time Release (s)=6ms
L1_A L1_B L1_C L1_D: library part CMP-0121182-1, "Shielded High Current Power Inductor, 22uH, 19A", Manufacturer=Coilcraft, Mouser Part Number=994-VER2923-223KL, Operating Temperature Range=to, Self Resonant Frequency=13MHz, Test Frequency=300kHz, Tolerance_%=10%, AEC Qualified=No, ComponentLink1Description=Datasheet, ComponentLink1URL=https://www.coilcraft.com/getmedia/adea7832-b1eb-4914-bb9d-ee0460160a1e/ver2923.pdf, datasheet=https://www.coilcraft.com/getmedia/adea7832-b1eb-4914-bb9d-ee0460160a1e/ver2923.pdf, Datasheet Path=datasheets/Ind-VER2923-223KL.pdf, DCR_ohm=2.6m, helpURL=https://upverter.com/upn/revision/f8f170d3e1acfc38/, Ind_H=22µH, Irms=26A, Isat=12.2A, Lead Free=Yes, Material=Ferrite, Mouser Description="Inductor, 22UH, 26A, Pwr, 12.2MHZ", PackageReference=PTH_INDUCTOR_26MM92_16MM46, Part Number=VER2923-223KL, PartNumber=VER2923-223KL, RoHS=TRUE, Shrouded=true, SizeZ_mm=22.74mm, Supplier 2=Mouser, Supplier Part Number 2=994-VER2923-223KL, TaMax_C=+85°C, TaMin_C=-40°C, Technology=Wirewound
L2 L3: library part CMP-0089347-1, "4.7µH Unshielded Inductor 1.1A 426mOhm Max 0806 (2016 Metric)", Digikey Part Number=2037-SDEM20161T-4R7MSCT-ND, Manufacturer=Cyntec, Operating Temperature Range="-55°C to +125°C", Test Frequency=1MHz, Tolerance_%=20%, AEC Qualified=No, ComponentLink1Description=Datasheet, ComponentLink1URL=http://www.cyntec.com/upfile/products/download/SDEM20161T-000%20(A4).pdf, datasheet=http://www.cyntec.com/upfile/products/download/SDEM20161T-000%20(A4).pdf, Datasheet Path=datasheets/Ind-SDEM20161T-4R7MS.pdf, DCR_ohm=0.426, Device Class L1="Passive Components", Device Class L2=Inductors, Device Class L3="Fixed Inductors", Digikey Description="FIXED IND 4.7UH 1.1A 426MOHM SMD", helpURL=https://upverter.com/upn/revision/c351dd411625336f/, Ind_H=4.7µH, Irms=1.1A, Isat=1.26A, Lead Free=Yes, Material="Metal Dust", PackageReference=SMD2, Part Number=SDEM20161T-4R7MS, PartNumber=SDEM20161T-4R7MS, RoHS=TRUE, SizeZ_mm=1mm, Supplier 1=Digikey, Supplier Part Number 1=2037-SDEM20161T-4R7MSCT-ND, Technology=Wirewound